# Altium PCB PCB_IoT_Source.PcbDoc (continued)
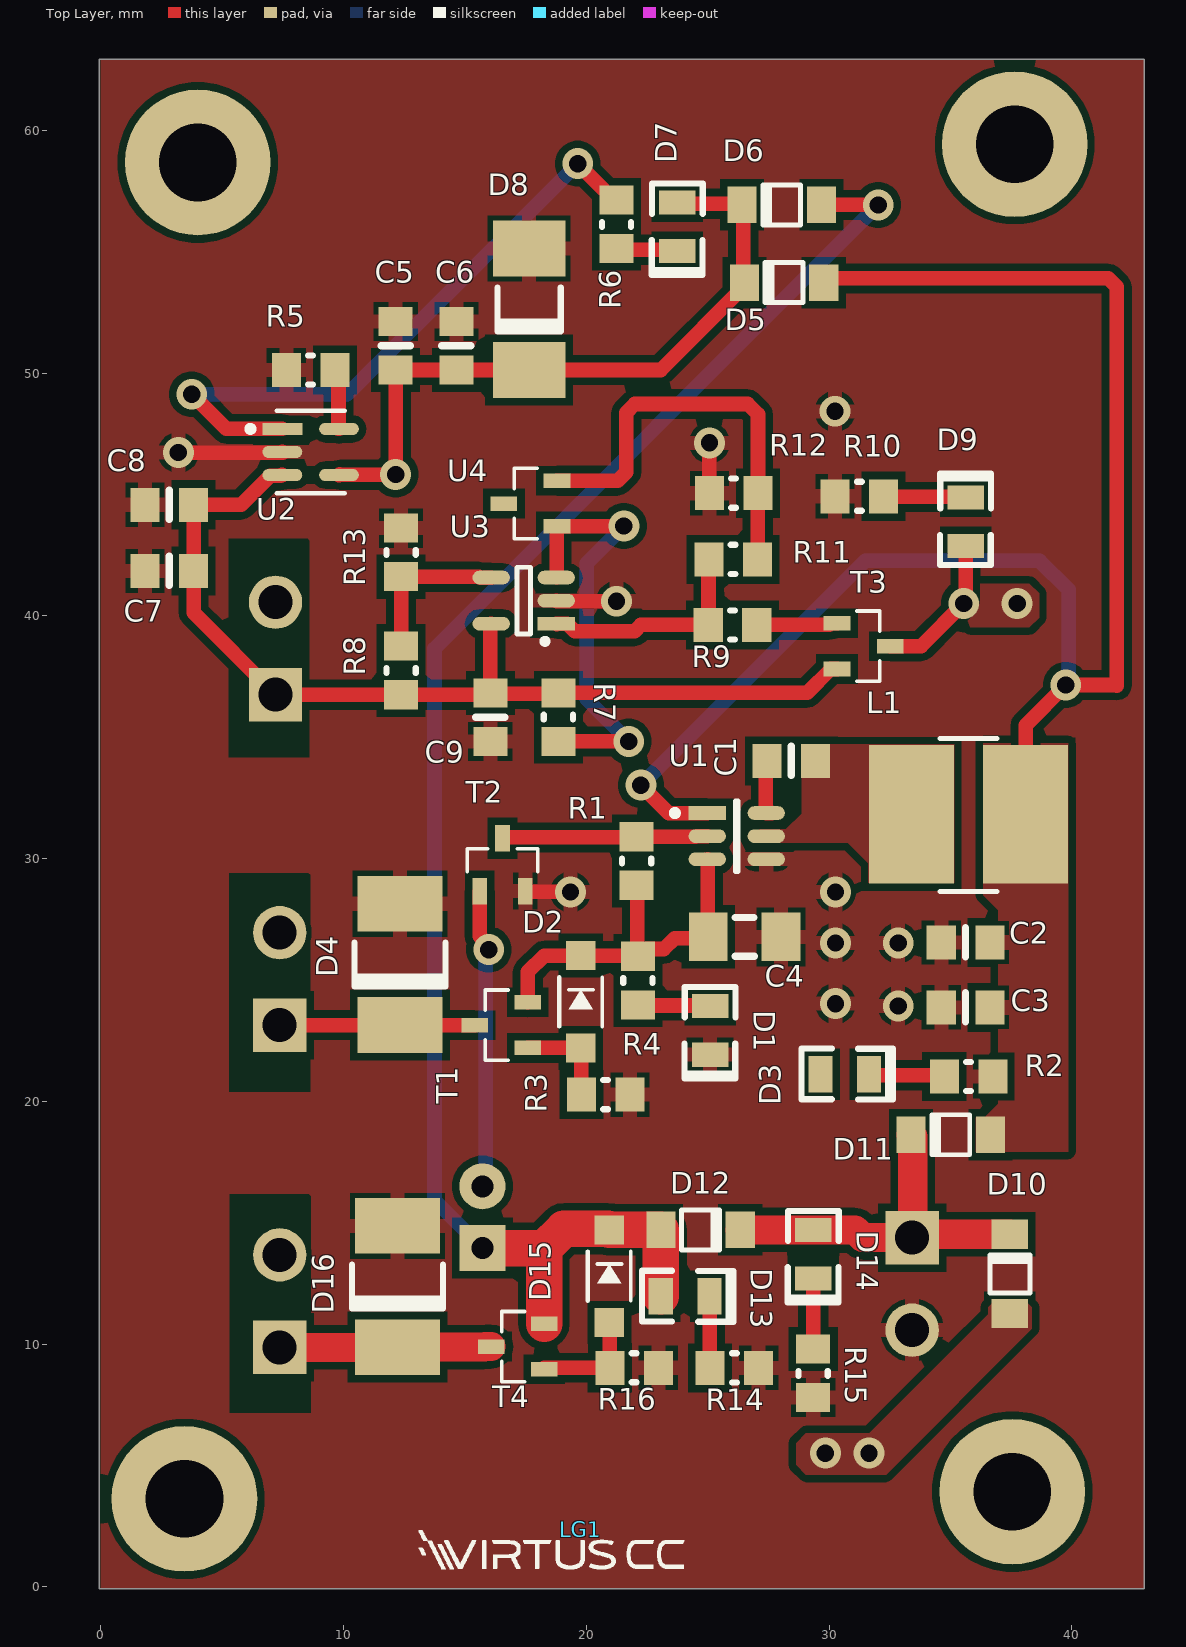
[diagram p0: Top Layer view]
## Part data (continued)
R13: "RES 330K OHM 1% 1/8W 0805", Case Code (Imperial)=0805, Case Code (Metric)=2012, Manufacturer=Yageo, Max Operating Temperature=155°C, Min Operating Temperature=-55°C, Power Rating=125mW, Supplier Part Number=13-RC0805FR-13330KLCT-ND, Temperature Coefficient=100ppm/°C, Tolerance=1%, Voltage Rating=150V, Case/Package=0805, Category="Chip SMD Resistors", ComponentLink1Description=http://www.mouser.com/ds/2/447/Yageo_08112016_RC0805-968729.pdf?src-supplier=Mouser, ComponentLink1URL=http://www.mouser.com/ds/2/447/Yageo_08112016_RC0805-968729.pdf?src-supplier=Mouser, ComponentLink2Description=http://www.yageo.com/documents/recent/PYu-RC_Group_51_RoHS_L_2.pdf?src-supplier=Avnet, ComponentLink2URL=http://www.yageo.com/documents/recent/PYu-RC_Group_51_RoHS_L_2.pdf?src-supplier=Avnet, ComponentLink3Description=https://datasheet.octopart.com/RC0805FR-13330KL-Yageo-datasheet-164759695.pdf?src-supplier=Future+Electronics, ComponentLink3URL=https://datasheet.octopart.com/RC0805FR-13330KL-Yageo-datasheet-164759695.pdf?src-supplier=Future+Electronics, Contact Plating=Tin,Matte, Height=0.5mm, Length=2mm, Manufacturer Part Number=RC0805FR-13330KL, Packaging="Tape and Reel", Pricing="1=0,1, 10=0,025, 50=0,016, 100=0,0133, 500=0,00912, 1000=0,00787, 5000=0,00577, 10000=0,00511 (USD)", RoHS=Yes, RoHS Compliant=Yes, Series=RC, Stock=27015, Supplier=Digikey, Supplier 1=Digikey, Supplier 2=Mouser, Supplier Part Number 1=13-RC0805FR-13330KLCT-ND, Supplier Part Number 2=603-RC0805FR-13330KL, Termination=SMD/SMT, Width=1.25mm
SCW1 SCW2 SCW3 SCW4: library part SCREWM3
STF1 STF2 STF3 STF4: "HEX STANDOFF M3X0.5 BRASS 15MM"
T1 T4: "MOSFET P-CH 40V 2.4A SOT23", Case/Package=SOT-23, Continuous Drain Current (ID)=2.4A, Drain to Source Breakdown Voltage=-40V, Drain to Source Resistance=64mR, Drain to Source Voltage (Vdss)=40V, Gate to Source Voltage (Vgs)=20V, Input Capacitance=587pF, Manufacturer=Diodes, Max Operating Temperature=150°C, Max Power Dissipation=720mW, Min Operating Temperature=-55°C, Supplier Part Number=DMP4065S-7DICT-ND, Category=MOSFETs, ComponentLink1Description=http://www.farnell.com/datasheets/2649034.pdf?src-supplier=Farnell, ComponentLink1URL=http://www.farnell.com/datasheets/2649034.pdf?src-supplier=Farnell, ComponentLink2Description=http://www.mouser.com/ds/2/115/DMP4065S-537770.pdf?src-supplier=Mouser, ComponentLink2URL=http://www.mouser.com/ds/2/115/DMP4065S-537770.pdf?src-supplier=Mouser, ComponentLink3Description=https://www.diodes.com/assets/Datasheets/DMP4065S.pdf?src-supplier=Digikey, ComponentLink3URL=https://www.diodes.com/assets/Datasheets/DMP4065S.pdf?src-supplier=Digikey, ComponentLink4Description=http://diodes.com/datasheets/DMP4065S.pdf?src-supplier=Avnet, ComponentLink4URL=http://diodes.com/datasheets/DMP4065S.pdf?src-supplier=Avnet, ComponentLink5Description=http://www.farnell.com/datasheets/2649034.pdf?src-supplier=Newark, ComponentLink5URL=http://www.farnell.com/datasheets/2649034.pdf?src-supplier=Newark, ComponentLink6Description=http://www.farnell.com/datasheets/2649034.pdf?src-supplier=Element14, ComponentLink6URL=http://www.farnell.com/datasheets/2649034.pdf?src-supplier=Element14, ComponentLink7Description=https://datasheet.octopart.com/DMP4065S-7-Diodes-Inc.-datasheet-129886328.pdf?src-supplier=TME, ComponentLink7URL=https://datasheet.octopart.com/DMP4065S-7-Diodes-Inc.-datasheet-129886328.pdf?src-supplier=TME, Height=1.1mm, Manufacturer Part Number=DMP4065S-7, Mounting Technology="Surface Mount", Number of Channels=1, Packaging="Cut Tape", Pins=3, Power Dissipation=720mW, Pricing="1=0,43, 10=0,302, 100=0,1523, 500=0,135, 1000=0,10506 (USD)", Rds On Max=80mR, RoHS=Yes, RoHS Compliant=Yes, Series=-, Stock=25010, Supplier=Digikey, Supplier 1=Digikey, Supplier 2=Mouser, Supplier Part Number 1=DMP4065S-7DICT-ND, Supplier Part Number 2=621-DMP4065S-7, Turn-Off Delay Time=36.3ns, Turn-On Delay Time=3.6ns
T2: "TRANS PREBIAS NPN 200MW SOT23-3", Case/Package=SOT-23-3, Collector Emitter Breakdown Voltage=50V, Collector-emitter Voltage-Max=300mV, Continuous Collector Current=100mA, Emitter Base Voltage (VEBO)=30V, JLCPCB Part=C508183, Manufacturer=Diodes, Max Operating Temperature=150°C, Max Power Dissipation=200mW, Min Operating Temperature=-55°C, Package Quantity=3000, Supplier Part Number 1=DDTC143ZCA-FDICT-ND, Transition Frequency=250MHz, Category=BJTs, Collector Emitter Voltage (VCEO)=50V, ComponentLink1Description=http://www.mouser.com/ds/2/115/ds30330-71322.pdf?src-supplier=Mouser, ComponentLink1URL=http://www.mouser.com/ds/2/115/ds30330-71322.pdf?src-supplier=Mouser, ComponentLink2Description=http://www.alliedelec.com/m/d/be0b5f6f3c5081911d08f51c92d34358.pdf?src-supplier=Allied+Electronics, ComponentLink2URL=http://www.alliedelec.com/m/d/be0b5f6f3c5081911d08f51c92d34358.pdf?src-supplier=Allied+Electronics, ComponentLink3Description=http://uk.rs-online.com/webdocs/1321/0900766b81321d3c.pdf?src-supplier=RSComponents, ComponentLink3URL=http://uk.rs-online.com/webdocs/1321/0900766b81321d3c.pdf?src-supplier=RSComponents, ComponentLink4Description=http://components.arrow.com/part/dataview/41508542S9348013N2867?src-supplier=Arrow+Electronics, ComponentLink4URL=http://components.arrow.com/part/dataview/41508542S9348013N2867?src-supplier=Arrow+Electronics, ComponentLink5Description=http://www.diodes.com//datasheets/ds30330.pdf?src-supplier=Avnet, ComponentLink5URL=http://www.diodes.com//datasheets/ds30330.pdf?src-supplier=Avnet, ComponentLink6Description=http://www.diodes.com/_files/datasheets/ds30330.pdf?src-supplier=Future+Electronics, ComponentLink6URL=http://www.diodes.com/_files/datasheets/ds30330.pdf?src-supplier=Future+Electronics, ComponentLink7Description=https://www.diodes.com/assets/Datasheets/ds30330.pdf?src-supplier=Digi-Key, ComponentLink7URL=https://www.diodes.com/assets/Datasheets/ds30330.pdf?src-supplier=Digi-Key, Current Rating=100mA, Element Configuration=Single, Height=1mm, hFE Min=80, Lead Free="Lead Free", Length=3.05mm, Manufacturer Part Number=DDTC143ZCA-7-F, Max Breakdown Voltage=50V, Max Collector Current=100mA, Max Output Current=100mA, Mount="Surface Mount", Number of Pins=3, Operating Supply Voltage=50V, Packaging="Tape and Reel", Polarity=NPN, Pricing 1="1=0,20000, 10=0,18400, 100=0,10000, 500=0,06156, 1000=0,04198 (USD)", Radiation Hardening=No, RoHS=Yes, RoHS Compliant=Yes, Series=-, Stock 1=1278422, Supplier 1=Digi-Key, Supplier 2=Mouser, Supplier 3="Arrow Electronics", Supplier 4=Digi-Key, Supplier 5=Mouser, Supplier 6=Digi-Key, Supplier 7=Mouser, Supplier Part Number 2=621-DDTC143ZCA-F, Supplier Part Number 3=DDTC143ZCA-7-F, Supplier Part Number 4=1727-3045-1-ND, Supplier Part Number 5=771-PDTC143ZT-/T3, Supplier Part Number 6=MUN2233T1GOSCT-ND, Supplier Part Number 7=863-MUN2233T1G, Voltage Rating (DC)=50V, Weight=0.000282oz, Width=1.4mm
T3: "MOSFET P-CHANNEL 20V 4A SOT23", JLCPCB Part=C391636, Manufacturer="Pan Jit", Supplier Part Number 1=3757-PJA3415_R1_00001CT-ND, Manufacturer Part Number=PJA3415_R1_00001, Pricing 1="1=0,40000, 10=0,30100, 100=0,17040, 500=0,11286, 1000=0,08653 (USD)", RoHS=Yes, RoHS Compliant=Yes, Stock 1=8995, Supplier 1=Digikey, Supplier 2=Mouser, Supplier Part Number 2=241-PJA3415_R1_00001
U1: "IC REG BUCK 5V 2A TSOT23-6", Manufacturer=Diodes, Max Operating Temperature=85°C, Max Supply Voltage=32V, Min Operating Temperature=-40°C, Min Supply Voltage=3.8V, Nominal Supply Current=22uA, Output Current=2A, Output Voltage=5V, Supplier Part Number=AP63205WU-7DICT-ND, Switching Frequency=1.1MHz, Category="Voltage Regulators - Switching", ComponentLink1Description=https://www.diodes.com/assets/Datasheets/AP63200-AP63201-AP63203-AP63205.pdf?src-supplier=Digikey, ComponentLink1URL=https://www.diodes.com/assets/Datasheets/AP63200-AP63201-AP63203-AP63205.pdf?src-supplier=Digikey, Height=1mm, Manufacturer Part Number=AP63205WU-7, Max Duty Cycle=100%, Number of Outputs=1, Pricing="1=1,32, 10=0,831, 25=0,7008, 100=0,5531, 250=0,4808, 500=0,43652, 1000=0,39967 (USD)", RoHS=Yes, Stock=18105, Supplier=Digikey, Supplier 1=Digikey, Supplier 2=Mouser, Supplier Part Number 1=AP63205WU-7DICT-ND, Supplier Part Number 2=621-AP63205WU-7
U2: "IC BATT CNTL LI-ION 1CEL SOT23-5", Battery Pack Voltage=4.2V, Case/Package=SOT-23, Drain to Source Resistance=350mR, Manufacturer=Microchip, Max Charge Current=500mA, Max Operating Temperature=85°C, Max Output Voltage=4.5V, Max Power Dissipation=1.54W, Max Supply Voltage=6V, Min Operating Temperature=-40°C, Min Output Voltage=4.168V, Min Supply Voltage=3.75V, Supplier Part Number=MCP73831T-2ACI/OTCT-ND, Voltage Rating=4.534V, Category="Battery Management", ComponentLink1Description=https://datasheet.ciiva.com/22828/0900766b80d2b53a-22828876.pdf?src-supplier=Rs, ComponentLink1URL=https://datasheet.ciiva.com/22828/0900766b80d2b53a-22828876.pdf?src-supplier=Rs, ComponentLink2Description=https://datasheet.ciiva.com/26344/651521-da-01-en-contr-mcp73831t-2aci-ot-sot-23-5-mcp-26344458.pdf?src-supplier=Conrad, ComponentLink2URL=https://datasheet.ciiva.com/26344/651521-da-01-en-contr-mcp73831t-2aci-ot-sot-23-5-mcp-26344458.pdf?src-supplier=Conrad, ComponentLink3Description=https://datasheet.ciiva.com/1931/21984e-1931953.pdf?src-supplier=Digikey, ComponentLink3URL=https://datasheet.ciiva.com/1931/21984e-1931953.pdf?src-supplier=Digikey, ComponentLink4Description=https://datasheet.ciiva.com/1931/21984e-1931954.pdf?src-supplier=Digikey, ComponentLink4URL=https://datasheet.ciiva.com/1931/21984e-1931954.pdf?src-supplier=Digikey, ComponentLink5Description=https://datasheet.ciiva.com/1931/21984e-1931955.pdf?src-supplier=Digikey, ComponentLink5URL=https://datasheet.ciiva.com/1931/21984e-1931955.pdf?src-supplier=Digikey, ComponentLink6Description=https://datasheet.ciiva.com/3213/21984e-3213404.pdf?src-supplier=Avnet, ComponentLink6URL=https://datasheet.ciiva.com/3213/21984e-3213404.pdf?src-supplier=Avnet, ComponentLink7Description=https://datasheet.ciiva.com/28626/630369-28626439.pdf?src-supplier=Element14, ComponentLink7URL=https://datasheet.ciiva.com/28626/630369-28626439.pdf?src-supplier=Element14, ComponentLink8Description=https://datasheet.ciiva.com/46385/630369-46385324.pdf?src-supplier=Element14, ComponentLink8URL=https://datasheet.ciiva.com/46385/630369-46385324.pdf?src-supplier=Element14, ComponentLink9Description=https://datasheet.ciiva.com/1137/630369-1137803.pdf?src-supplier=Element14, ComponentLink9URL=https://datasheet.ciiva.com/1137/630369-1137803.pdf?src-supplier=Element14, ComponentLink10Description=https://datasheet.ciiva.com/1144/630369-1144461.pdf?src-supplier=Newark, ComponentLink10URL=https://datasheet.ciiva.com/1144/630369-1144461.pdf?src-supplier=Newark, ComponentLink11Description=https://datasheet.ciiva.com/16286/filehandler-aspxddocname-en025112-16286957.pdf?src-supplier=Future+Electronics, ComponentLink11URL=https://datasheet.ciiva.com/16286/filehandler-aspxddocname-en025112-16286957.pdf?src-supplier=Future+Electronics, Fault Protection="Over Voltage", Height=1.3mm, Lead Free="Lead Free", Length=3.1mm, Manufacturer Part Number=MCP73831T-2ACI/OT, Mounting Technology="Surface Mount", Number of Cells=1, Number of Channels=1, Number of Outputs=1, Output Current=500mA, Output Voltage=4.2V, Packaging="Tape and Reel", Pins=5, Pricing="1=0,76, 25=0,63, 100=0,6125 (USD)", Radiation Hardening=No, Reach SVHC Compliant=No, RoHS=Yes, RoHS Compliant=Yes, Series=-, Stock=95434, Supplier=Digikey, Supplier 1=Digikey, Supplier 2=Mouser, Supplier Part Number 1=MCP73831T-2ACI/OTCT-ND, Supplier Part Number 2=579-MCP73831T-2ACIOT, Termination=SMD/SMT, Weight=0.00709oz, Width=1.8mm
U3: "AUTOMOTIVE NANO POWER COMPARATOR", JLCPCB Part=C3658921, Manufacturer="Texas Instruments", Supplier Part Number 1=296-TLV7031QDBVRQ1CT-ND, Manufacturer Part Number=TLV7031QDBVRQ1, Pricing 1="1=0,96000, 10=0,86000, 25=0,81600, 100=0,67040, 250=0,62672, 500=0,55384, 1000=0,48125 (USD)", RoHS=No, RoHS Compliant=Yes, Stock 1=2000, Supplier 1=Digi-Key, Supplier 2=Mouser, Supplier Part Number 2=595-TLV7031QDBVRQ1
U4: "IC VREF SHUNT 1% SOT23-3", Case/Package=TO-236-3, Cathode Current=70uA, Manufacturer=Microchip, Max Operating Temperature=85°C, Min Operating Temperature=-40°C, Min Output Voltage=1.225V, Output Current=12mA, Supplier Part Number 1=576-2572-1-ND, Temperature Coefficient=150ppm/°C, Tolerance=1%, Category="Voltage References", ComponentLink1Description=https://datasheet.ciiva.com/16221/lm4040-16221709.pdf?src-supplier=Future+Electronics, ComponentLink1URL=https://datasheet.ciiva.com/16221/lm4040-16221709.pdf?src-supplier=Future+Electronics, Manufacturer Part Number=LM4041DYM3-1.2-TR, Mount="Surface Mount", Output Type=Fixed, Packaging="Tape and Reel", Pricing 1="1=0,36000, 25=0,30760, 100=0,27560 (USD)", Reference Type=Shunt, RoHS=Yes, Stock 1=2876, Supplier 1=Digi-Key, Supplier 2=Mouser, Supplier Part Number 2=998-LM4041DYM3-1.2TR

## Free pads (board coordinates)
  round 6 hole 3.2: ""(3.45,3.625) ""(4,58.675) ""(37.55,3.925) ""(37.65,59.425)

## Via types
v1: diameter 1.27, hole 0.711, Top Layer to Bottom Layer, 23 vias

## Nets (pads, with @x,y where several pads share a name; then routed paths per layer and width w, separated by ;. In a path a pad name is that pad's centre, name@x,y a point inside that pad or via, vN(x,y) a via of type N, cw(c..) or ccw(c..) an arc to the next point about the centre after c; other vN are vias at no path point)
+3.7V: D9.2 D10.2 T3.3 | length 6.2
  Top Layer w0.6: T3.3 33.79,38.75 v1(35.55,40.51) 35.55,40.595 35.625,40.67 D9.2
  other v1: 29.85,5.51 31.65,5.51 37.75,40.51
+5V_Ext: C2.1 C3.1 D3.2 D5.2 D11.2 L1.2 U1.1 | length 66
  Top Layer w0.6: v1(22.25,33.025) 23.4,31.875 U1.1 ; D3.2 29.65,21.15 D3.2@29.675,21.125 ; D5.2 29.96,53.9 41.499,53.9 41.85,53.549 41.85,37.128 41.828,37.15 v1(39.75,37.15) 38.1,35.5 L1.2
  Bottom Layer w0.6: v1(22.25,33.025) 31.5,42.275 38.669,42.275 39.875,41.069 39.875,37.275 v1(39.75,37.15)
+5V_USB: CONN1.1 D6.2 D12.2 D13.2 D15.1 T4.2 | length 67.2
  Top Layer w0.6: D6.2 v1(32.025,56.925)
  Top Layer w1.5: CONN1.1 15.743,13.942 18.267,13.942 ; T4.2 18.267,13.942 ; D15.1@20.905,14.75 19.075,14.75 18.267,13.942 ; D15.1 D12.2 D13.2
  Bottom Layer w0.6: CONN1.1 13.75,15.935 13.75,38.65 v1(32.025,56.925)
GND: C2.2 C3.2 C4.2 C5.2 C6.2 C7.2 C8.2 C9.2 D1.1 D4.2 D8.2 D16.2 J2.2 J3.2 J6.2 J7.2 R2.1 R3.1 R5.1 R10.1 R12.1 R13.1 R14.1 R15.1 R16.1 T2.2 U1.4 U2.2 U3.2 | length 10.8
  Top Layer w0.6: v1(3.2,46.725) 3.216,46.709 7.5,46.709 7.484,46.725 U2.2 ; T2.2 17.49,28.641 19.334,28.641 v1(19.35,28.625) ; U3.2 18.783,40.608 19.517,40.608 19.525,40.6 v1(21.25,40.6) ; R12.1 v1(25.075,47.125)
  other v1: 32.85,23.925 30.265,24.025 30.265,26.525 32.85,26.525 30.265,28.625 30.25,48.425
NetC1_1: C1.1 U1.6 | length 2.4
  Top Layer w0.6: C1.1@27.4,34.025 27.4,31.892 27.417,31.875 27.633,31.875 U1.6@27.65,31.892 ; C1.1 C1.1@27.458,34.017
NetC1_2: C1.2 L1.1 U1.5
NetC4_1: C4.1 D2.1 R1.2 R4.2 T1.2 U1.3 | length 15.4
  Top Layer w0.6: T1.2 17.592,25.332 18.265,26.005 D2.1 19.79,25.99 R4.2@22.11,25.99 ; R1.2 22.1,28.875 22.1,26 R4.2@22.11,25.99 ; U1.3 24.988,29.975 25.005,29.958 25.005,26.755 24.975,26.725 23.65,26.725 23.2,26.275 22.425,26.275 R4.2 R4.2@22.11,25.99
NetC5_1: C5.1 C6.1 D5.1 D6.1 D7.2 D8.1 U2.4 | length 28.5
  Top Layer w0.6: U2.4 9.825,45.8 9.85,45.825 9.862,45.812 12.137,45.812 v1(12.15,45.825) C5.1 C6.1 D8.1 23.065,50.125 26.515,53.575 D5.1 26.465,53.775 26.465,56.875 D6.1 26.365,56.975 23.8,56.975 D7.2
NetCONN1_2: CONN1.2 T2.1 | length 12.7
  Top Layer w0.6: T2.1 15.61,26.806 15.985,26.431 v1(15.985,26.25) ; CONN1.2@15.675,16.75 15.725,16.7 CONN1.2
  Bottom Layer w0.6: CONN1.2 15.857,16.632 15.857,26.122 v1(15.985,26.25)
NetD1_2: D1.2 R4.1 | length 3
  Top Layer w0.6: R4.1 22.15,23.95 25.075,23.95 D1.2
NetD2_2: D2.2 R3.2 T1.1 | length 4.1
  Top Layer w0.6: T1.1 19.77,22.2 D2.2 19.788,22.183 19.788,20.287 R3.2
NetD3_1: D3.1 R2.2 | length 3.1
  Top Layer w0.6: D3.1 31.7,21.075 34.7,21.075 R2.2
NetD7_1: D7.1 R6.2 | length 2.7
  Top Layer w0.6: R6.2@21.15,55.025 R6.2 21.3,55.075 23.7,55.075 D7.1
NetD9_1: D9.1 R10.2 | length 3.4
  Top Layer w0.6: R10.2 32.275,44.9 35.6,44.9 D9.1
NetD13_1: D13.1 R14.2 | length 3
  Top Layer w0.6: D13.1 25.087,11.963 25.087,9.038 R14.2
NetD14_1: D14.1 R15.2 | length 2.9
  Top Layer w0.6: R15.2 D14.1
NetD15_2: D15.2 R16.2 T4.1 | length 4.6
  Top Layer w0.6: T4.1@18.267,9.035 R16.2@20.964,9.035 ; D15.2 20.961,10.884 20.961,9.038 R16.2@20.964,9.035 ; R16.2 R16.2@20.964,9.035
NetR1_1: R1.1 T2.3 U1.2 | length 8.5
  Top Layer w0.6: T2.3 16.55,30.871 22.046,30.871 R1.1 24.507,30.9 24.532,30.925 U1.2
NetR5_2: R5.2 U2.5 | length 2.7
  Top Layer w0.6: R5.2@9.775,50.425 9.796,50.404 9.796,47.708 9.804,47.7 U2.5
NetR6_1: R6.1 U2.1 | length 26.5
  Top Layer w0.6: v1(3.75,49.125) 5.175,47.7 U2.1 ; v1(19.65,58.625) 21.15,57.125 R6.1 R6.1@21.35,57.125
  Bottom Layer w0.6: v1(3.75,49.125) 10.15,49.125 v1(19.65,58.625)
NetR7_1: R7.1 U3.3 U4.1 | length 18.1
  Top Layer w0.6: R7.1@18.75,34.825 R7.1@18.775,34.8 ; U3.3@18.779,41.592 18.779,43.685 U4.1 21.535,43.685 v1(21.55,43.7) ; R7.1 v1(21.75,34.825)
  Bottom Layer w0.6: v1(21.55,43.7) 21.55,43.625 21.475,43.625 20.015,42.165 20.015,36.56 v1(21.75,34.825)
NetR8_1: R8.1 R13.2 U3.4 | length 6.6
  Top Layer w0.6: R8.1 R13.2 15.593,41.613 15.632,41.575 U3.4
NetR9_1: R9.1 R11.1 U3.1 | length 9.2
  Top Layer w0.6: U3.1@18.783,39.658 U3.1 19.218,39.675 19.528,39.365 21.997,39.365 22.257,39.625 R9.1 25.037,39.638 25.037,42.313 R11.1
NetR9_2: R9.2 T3.1 | length 3.3
  Top Layer w0.6: R9.2 30.018,39.625 30.083,39.69 T3.1
NetR11_2: R11.2 R12.2 U4.2 | length 17.2
  Top Layer w0.6: U4.2 21.299,45.565 21.65,45.916 21.65,48.374 22.001,48.725 26.65,48.725 27.075,48.3 R12.2 27.063,45.038 27.063,42.338 R11.2
V_Battery: C7.1 C8.1 C9.1 J3.1 R7.2 R8.2 T3.2 U2.3 U3.5 | length 39.5
  Top Layer w0.6: U2.3 7.45,45.8 7.425,45.775 6.99,45.775 5.79,44.575 C8.1 C7.1 3.825,40.125 J3.1 R8.2 C9.1@16.05,36.75 ; C9.1 16.05,39.658 16.067,39.675 U3.5 ; C9.1@16.287,36.788 R7.2@18.812,36.788 ; R7.2 29.098,36.825 30.083,37.81 T3.2
VBUS: D16.1 J6.1 T4.3 | length 8.7
  Top Layer w1.2: J6.1 12.215,9.865 D16.1 15.808,9.875 15.833,9.9 T4.3
VCC: D4.1 J2.1 T1.3 | length 8
  Top Layer w0.6: J2.1 D4.1 T1.3
VSYS: D10.1 D11.1 D12.1 D14.2 J7.1 | length 15.5
  Top Layer w1.2: D12.1 D14.2 31.07,14.705 31.39,14.385 J7.1 J7.1@33.45,14.41 ; D11.1 33.45,18.555 J7.1@33.45,14.41 ; D10.1 33.565,14.525 J7.1@33.45,14.41
pads on no net: U4.3

## Polygon pours and split planes (outlines as drawn)
GND on Top Layer "GND_L01_P027" (solid, pour order 27): 0,62.925 43,62.925 43,-0.075 0,-0.075
+5V_Ext on Top Layer "+5V_EXT_L01_P005" (solid, pour order 5): 36.05,17.925 36.05,19.325 36.4,19.325 36.975,19.9 36.975,27.875 36.35,28.5 36.35,34.75 39.85,34.75 39.85,17.925
+3.7V on Top Layer "+3.7V_L01_P006" (solid, pour order 6): 34.85,40.025 34.85,40.925 35.25,41.325 38.25,41.325 38.65,40.925 38.65,39.925 38.25,39.525 35.35,39.525
+3.7V on Top Layer "+3.7V_L01_P008" (solid, pour order 8): 34.65,40.025 34.65,40.925 35.05,41.325 38.25,41.325 38.65,40.925 38.65,39.925 38.25,39.525 35.15,39.525
+3.7V on Top Layer "+3.7V_L01_P010" (solid, pour order 10): 28.65,5.025 28.65,5.925 29.05,6.325 31.65,6.325 36.55,11.225 36.55,11.525 36.85,11.825 38.05,11.825 38.35,11.525 38.35,10.625 32.35,4.625 29.05,4.625
NetC1_2 on Top Layer "NETC1_2_L01_P000" (solid, pour order 0): 35.15,34.7 35.15,29 31.625,29 31.625,29.8 30.775,30.65 27.15,30.65 27.15,31.2 28.225,31.2 28.875,31.85 28.875,34.7
GND on Bottom Layer "GND_L02_P034" (solid, pour order 34): 0,62.925 43,62.925 43,-0.075 0,-0.075
+3.7V on Bottom Layer "+3.7V_L02_P023" (solid, pour order 23): 24.445,8.956 28.995,4.406 32.52,4.406 33.22,5.106 33.22,5.781 32.27,6.731 29.77,6.731 27.37,9.131 27.37,30.981 35.045,38.656 37.97,38.656 39.27,39.956 39.27,40.831 38.445,41.656 33.845,41.656 24.445,32.256

## Other copper
Top Layer:
  pour cut-out: 5.275,34.175 8.6,34.175 8.6,43.1 8.525,43.175 5.275,43.175
  pour cut-out: 5.3,20.4 8.625,20.4 8.625,29.325 8.55,29.4 5.3,29.4
  pour cut-out: 5.325,7.175 5.325,16.175 8.575,16.175 8.65,16.1 8.65,7.175
  pour cut-out: 5.275,34.175 8.6,34.175 8.6,43.1 8.525,43.175 5.275,43.175
  pour cut-out: 5.275,34.175 8.6,34.175 8.6,43.1 8.525,43.175 5.275,43.175

## Silkscreen, mask and mechanical layers (free items; w line width, h text height)
Bottom Overlay:
  lines w0.4: 9.025,36.735 10.575,36.735 ; 9.2,9.85 10.75,9.85 ; 9.2,23.125 10.75,23.125 ; 9.8,39.76 9.8,41.235 ; 9.825,35.86 9.825,37.585 ; 9.975,12.875 9.975,14.35 ; 9.975,26.15 9.975,27.625 ; 10,8.975 10,10.7 ; 10,22.25 10,23.975 ; 30.05,14.4 31.6,14.4 ; 30.8,13.55 30.8,15.275 ; 30.825,9.9 30.825,11.375
  text "Source IoT" at 24.825,59.075 h2
  text "Bateria" at 12.702,41.225 h2 r90
  text "12~24V" at 14.375,27.2 h2 r90
  text "VCC" at 12.704,26.625 h2 r90
  text "VBUS" at 12.827,13.125 h2 r90
  text "5V" at 14.527,10.725 h2 r90
  text "VSYS" at 28.773,9.5 h2 r270
Dimensions:
  circle w0.4: c4,58.675 r1.6
  circle w0.4: c37.65,59.425 r1.6
  circle w0.4: c3.45,3.625 r1.6
  circle w0.4: c37.55,3.925 r1.6
  lines w0.1: -0.05,0.05 0.05,-0.05 42.9,-0.05 43,0.05 43,62.825 42.95,62.875 -0.05,62.875 -0.05,0.05
Mechanical 7:
  lines w0.1: 36.05,17.925 36.05,19.325 36.4,19.325 36.975,19.9 ; 36.975,27.875 36.35,28.5 36.35,34.75 39.85,34.75 39.85,34.45 ; 5.275,34.175 5.275,43.175 8.525,43.175 8.6,43.1 8.6,34.175 5.275,34.175 ; 5.3,20.4 8.625,20.4 8.625,29.325 8.55,29.4 5.3,29.4 5.3,20.4 ; 5.325,7.175 8.65,7.175 8.65,16.1 8.575,16.175 5.325,16.175 5.325,7.175 ; 28.65,5.025 28.65,5.925 29.05,6.325 31.65,6.325 36.55,11.225 36.55,11.525 36.85,11.825 38.05,11.825 38.35,11.525 38.35,10.625 32.35,4.625 29.05,4.625 28.65,5.025 ; 34.65,40.025 34.65,40.925 35.05,41.325 38.25,41.325 38.65,40.925 38.65,39.925 38.25,39.525 35.15,39.525 34.65,40.025
Board Shape:
  lines w0.1: -0.025,0.025 0.075,-0.075 42.925,-0.075 43.025,0.025 43.025,62.8 42.975,62.85 -0.025,62.85 -0.025,0.025

## Dimensions
4,58.675 to 3.45,3.625 on Dimensions
-0.05,62.875 to 4,58.675 on Dimensions
37.55,3.925 to 3.45,3.625 on Dimensions
37.55,3.925 to 43,0.05 on Dimensions
37.55,3.925 to 30.675,2.675 on Dimensions
37.65,59.425 to 40.19,59.425 on Dimensions
4,58.675 to 6.503,58.675 on Dimensions
3.45,3.625 to 5.99,3.625 on Dimensions
42.95,62.875 to 43,0.05 on Dimensions
-0.05,62.875 to 42.95,62.875 on Dimensions